# KiCad board motorgo_plink.kicad_pcb
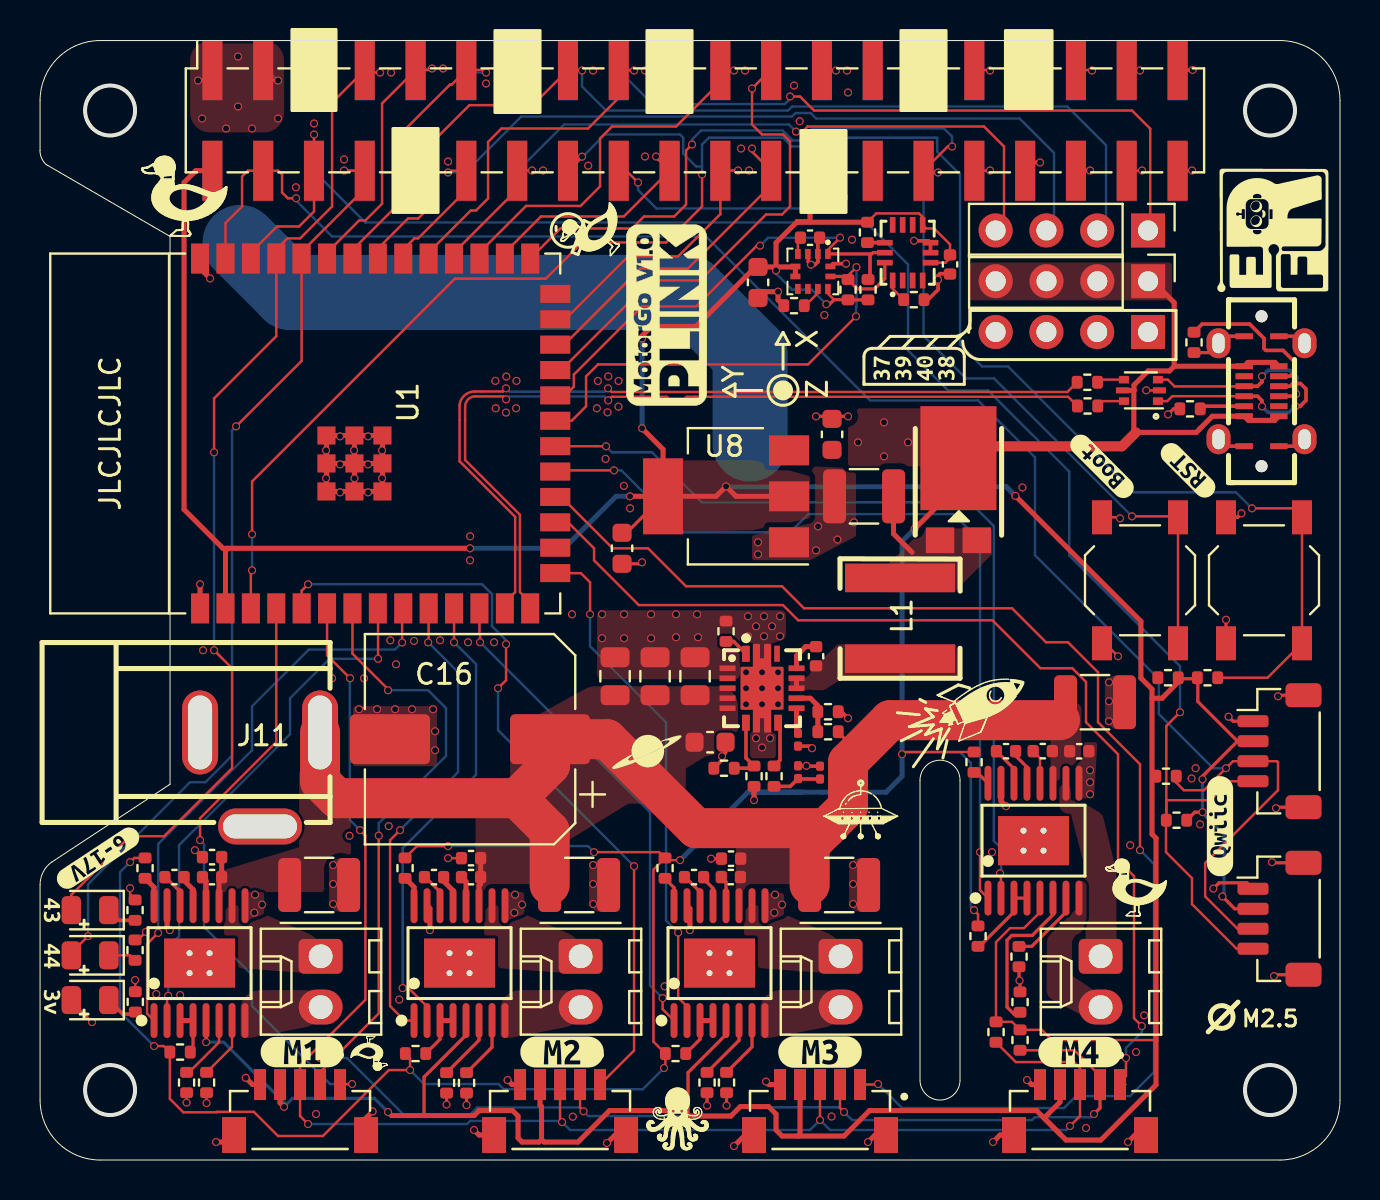
[diagram p0: board, top side]
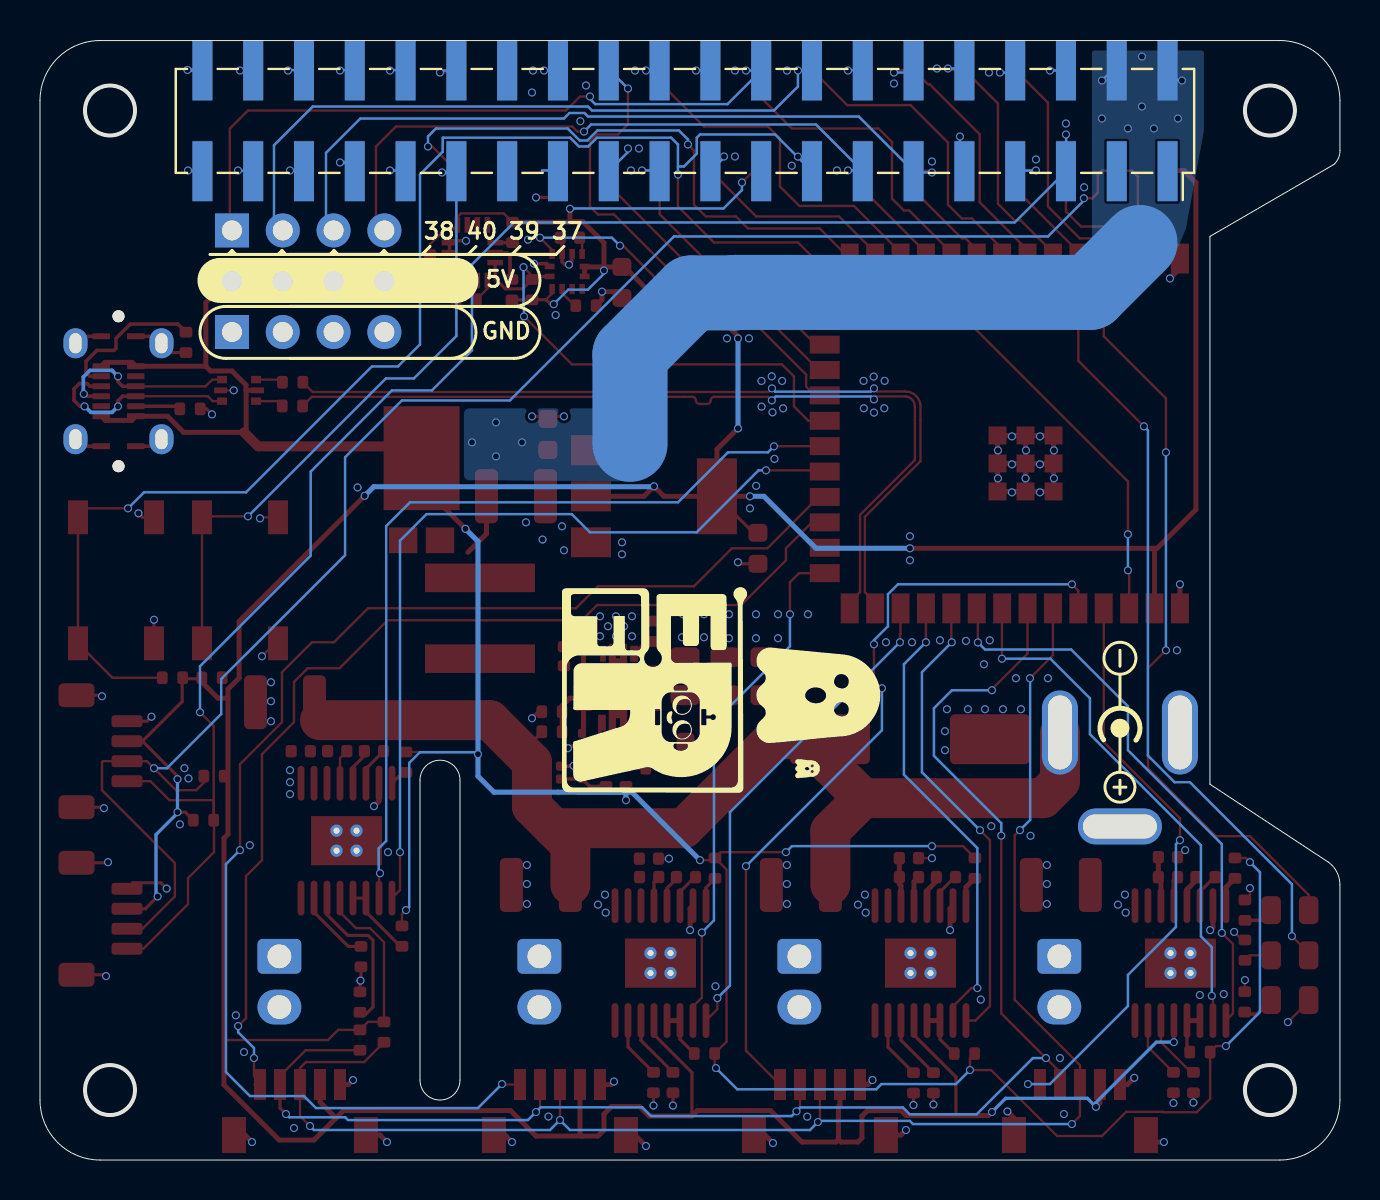
[diagram p1: board, bottom side, seen from below]

Outline 65 x 56 mm; copper layers: Top, In1.Cu, In2.Cu, Bottom. Coordinates in mm from the lower left corner of the outline.
Outline path: circle c3.5,52.5 r1.25 ; circle c3.5,3.5 r1.25 ; circle c61.5,52.5 r1.25 ; circle c61.5,3.5 r1.25 ; 0,50.5 0,53 arc(0.88,55.12) 3,56 62,56 arc(64.13,55.12) 65,53 65,3 arc(64.13,0.88) 62,0 3,0 arc(0.88,0.88) 0,3 0,13.77 arc(0.16,14.4) 0.58,14.9 6.5,18.8 6.5,46.2 0.3,49.8 arc(0.08,50.12) 0,50.5 ; 44,19 arc(45,20) 46,19 46,4 arc(45,3) 44,4 44,19
Stack: Top 0.035mm / dielectric 0.1mm FR4 er 4.5 / In1.Cu 0.018mm / dielectric 1.24mm FR4 er 4.5 / In2.Cu 0.018mm / dielectric 0.1mm FR4 er 4.5 / Bottom 0.035mm

## Placement (name value [footprint] x y rotation side)
C1  68pf  [C_0201_0603Metric]  39 19.38 90 top
C2  4.7uF 1mOhm  [C_0805_2012Metric]  32.75 24.2 90 top
C3  0.1uF  [C_0402_1005Metric]  21.55 14.15 0 top
C4  0.1uF  [C_0402_1005Metric]  21.55 15.1 180 top
C5  .022uF  [C_0402_1005Metric]  19.7 14.15 0 top
C6  100uF  [C_1210_3225Metric]  26.96 13.76 0 top
C7  0.1uF  [C_0402_1005Metric]  8.6 14.15 0 top
C8  0.1uF  [C_0402_1005Metric]  8.6 15.15 180 top
C9  .022uF  [C_0402_1005Metric]  6.72 14.15 0 top
C10  100uF  [C_1210_3225Metric]  13.96 13.76 0 top
C11  0.1uF  [C_0402_1005Metric]  34.54 14.15 0 top
C12  0.1uF  [C_0402_1005Metric]  34.55 15.08 180 top
C13  .022uF  [C_0402_1005Metric]  32.7 14.15 0 top
C14  100uF  [C_1210_3225Metric]  39.96 13.76 0 top
C15  4.7uF 1mOhm  [C_0805_2012Metric]  30.75 24.2 90 top
C16  220uF 50v  [CP_Elec_10x10]  21.5 21.05 180 top
C17  4.7uF 1mOhm  [C_0603_1608Metric]  33.5 20.9 0 top
C18  2.2nF 0Ohm  [C_0201_0603Metric]  37.9 21.02 270 top
C19  4.7uF 1mOhm  [C_0805_2012Metric]  28.75 24.2 90 top
C20  6.8nf  [C_0201_0603Metric]  37.9 19.4 90 top
C22  100nf 280mOhm  [C_0402_1005Metric]  38.8 25.2 90 top
C23  47uF 3mOhm  [C_1210_3225Metric]  41.2 33.2 180 top
C24  22uF 16v  [C_0603_1608Metric]  39.6 36.3 90 top
C25  22uF 16v  [C_0603_1608Metric]  29.1 30.6 270 top
C26  0.1uF  [C_0402_1005Metric]  50.14 20.45 0 top
C27  0.1uF  [C_0402_1005Metric]  51.97 20.45 0 top
C28  .022uF  [C_0402_1005Metric]  48.3 20.45 0 top
C29  100uF  [C_1210_3225Metric]  52.75 22.9 0 top
C30  100nF  [C_0402_1005Metric]  38.5 46.14 180 top
C31  100nF  [C_0402_1005Metric]  45.5 44.8 270 top
C32  1uF  [C_0603_1608Metric]  35.9 43.9 270 top
D1  LED  [LED_0805_2012Metric]  2.5 10.24 180 top
D2  LED  [LED_0805_2012Metric]  2.5 12.5 180 top
D3  LED  [LED_0805_2012Metric]  2.5 8 180 top
D4  Schottky_SB1045L_C908747  [TO-277_3P-L5.4-W4.0-LS6.5-TR]  45.92 33.05 270 top
J1  USB4520-03-0-A_REVA  [USB-C-SMD_TYPEC-303-ACP16]  61.08 38.46 90 top
J2  ~  [SW_SPST_TL3342]  55 29 90 top
J3  ~  [SW_SPST_TL3342]  61.2 29 270 top
J4  Conn_02x20_Odd_Even  [PinSocket_2x20_P2.54mm_Vertical_SMD]  32.75 52.01 90 top
J5  Conn_01x04_Pin  [PinHeader_1x04_P2.54mm_Vertical]  55.4 46.5 270 top
J6  Conn_01x02_Pin  [Molex_KK-254_AE-6410-02A_1x02_P2.54mm_Vertical]  27.03 10.19 270 top
J7  Conn_02x20_Odd_Even  [PinSocket_2x20_P2.54mm_Vertical_SMD]  32.75 51.98 270 bottom
J8  Conn_01x02_Pin  [Molex_KK-254_AE-6410-02A_1x02_P2.54mm_Vertical]  14.03 10.19 270 top
J9  Conn_01x04_Pin  [PinHeader_1x04_P2.54mm_Vertical]  55.4 41.42 270 top
J10  Conn_01x02_Pin  [Molex_KK-254_AE-6410-02A_1x02_P2.54mm_Vertical]  40.03 10.19 270 top
J11  ~  [CONN-TH_DC-005-2.5A-2.0]  11 19.04 0 top
J12  Conn_01x04_Pin  [PinHeader_1x04_P2.54mm_Vertical]  55.41 43.96 270 top
J13  I2C_STANDARDQWIIC  [JST_SH_BM04B-SRSS-TB_1x04-1MP_P1.00mm_Vertical]  61.98 20.45 270 top
J14  BM05B-SRSS-TB_LF__SN_  [JST_BM05B-SRSS-TB_LF__SN_]  13 1.25 180 top
J15  I2C_STANDARDQWIIC  [JST_SH_BM04B-SRSS-TB_1x04-1MP_P1.00mm_Vertical]  61.98 12.07 270 top
J16  BM05B-SRSS-TB_LF__SN_  [JST_BM05B-SRSS-TB_LF__SN_]  26 1.25 180 top
J18  BM05B-SRSS-TB_LF__SN_  [JST_BM05B-SRSS-TB_LF__SN_]  39 1.25 180 top
J20  BM05B-SRSS-TB_LF__SN_  [JST_BM05B-SRSS-TB_LF__SN_]  52 1.25 180 top
J22  Conn_01x02_Pin  [Molex_KK-254_AE-6410-02A_1x02_P2.54mm_Vertical]  53.03 10.19 270 top
kibuzzard-670F41F1  G***  [kibuzzard-670F41F1]  59 16.7 90 top
kibuzzard-670FEBB5  G***  [kibuzzard-670FEBB5]  2.9 15.1 213.4 top
kibuzzard-67320F9F  G***  [kibuzzard-67320F9F]  57.4 34.5 135 top
kibuzzard-67320F82  G***  [kibuzzard-67320F82]  53.1 34.7 135 top
kibuzzard-67324B8C  G***  [kibuzzard-67324B8C]  0.6 10.2 270 top
kibuzzard-67324B68  G***  [kibuzzard-67324B68]  0.6 7.9 270 top
kibuzzard-67324B83  G***  [kibuzzard-67324B83]  0.6 12.5 270 top
kibuzzard-67324C8A  G***  [kibuzzard-67324C8A]  26.1 5.4 0 top
kibuzzard-67324C73  G***  [kibuzzard-67324C73]  13.1 5.4 0 top
kibuzzard-67324C97  G***  [kibuzzard-67324C97]  39 5.4 0 top
kibuzzard-67324CB2  G***  [kibuzzard-67324CB2]  52 5.4 0 top
kibuzzard-673237E1  G***  [kibuzzard-673237E1]  43.7 39.6 90 top
L1  2.2uH 12.7mOhm  [IND-SMD_L6.6-W6.4_CKSTT0610]  43 27.1 90 top
R1  1k  [R_0402_1005Metric]  4.75 10.5 90 top
R2  1k  [R_0402_1005Metric]  4.75 12.5 90 top
R3  1k  [R_0402_1005Metric]  4.77 7.91 90 top
R4  5k1  [R_0402_1005Metric]  57.5 37.58 0 top
R5  5k1  [R_0402_1005Metric]  57.7 40.9 90 top
R6  0  [R_0402_1005Metric]  52.38 37.72 0 top
R7  0  [R_0402_1005Metric]  52.37 38.91 0 top
R8  5k1  [R_0402_1005Metric]  56.4 24.12 180 top
R9  5k1  [R_0402_1005Metric]  58.38 24.12 0 top
R10  10k  [R_0402_1005Metric]  18.78 5.33 0 top
R11  10k  [R_0402_1005Metric]  18.25 14.6 270 top
R12  10k  [R_0402_1005Metric]  7 5.4 0 top
R13  10k  [R_0402_1005Metric]  5.25 14.6 270 top
R14  10k  [R_0402_1005Metric]  31.78 5.33 0 top
R15  10k  [R_0402_1005Metric]  31.25 14.6 270 top
R16  102k  [R_0402_1005Metric]  39.4 21.42 180 top
R17  36.5k  [R_0402_1005Metric]  39.4 22.42 0 top
R18  53.6k  [R_0402_1005Metric]  34.3 26.45 90 top
R19  3.92k  [R_0402_1005Metric]  36.7 19.2 270 top
R24  53.6k  [R_0402_1005Metric]  35.7 19.2 90 top
R25  10k  [R_0402_1005Metric]  34.2 19.6 180 top
R30  5k1  [R_0402_1005Metric]  56.3 19.2 0 top
R31  5k1  [R_0402_1005Metric]  56.83 17 180 top
R32  5k1  [R_0402_1005Metric]  49 6 270 top
R33  5k1  [R_0402_1005Metric]  47.8 6.4 270 top
R36  10k  [R_0402_1005Metric]  46.9 11.2 270 top
R37  10k  [R_0402_1005Metric]  46.7 19.9 270 top
R38  2k  [R_0402_1005Metric]  40.4 43.54 90 top
R39  2k  [R_0402_1005Metric]  41.4 43.54 90 top
R46  1k  [R_0402_1005Metric]  37.7 42.74 180 top
R49  1k  [R_0402_1005Metric]  43.69 43.04 0 top
R50  1k  [R_0402_1005Metric]  41.38 46.4 90 top
Rmode1  20k  [R_0402_1005Metric]  21.33 3.86 270 top
Rmode2  20k  [R_0402_1005Metric]  8.33 3.88 270 top
Rmode3  20k  [R_0402_1005Metric]  34.33 3.88 270 top
Rmode4  20k  [R_0402_1005Metric]  48.95 10.17 270 top
Rp1  4.87k  [R_0402_1005Metric]  20.33 3.86 270 top
Rp2  4.87k  [R_0402_1005Metric]  7.33 3.88 270 top
Rp3  4.87k  [R_0402_1005Metric]  33.35 3.88 270 top
Rp4  4.87k  [R_0402_1005Metric]  49 7.9 90 top
U1  -  [ESP32-S3-WROOM-1]  16.26 36.34 90 top
U2  USBLC6-2P6  [SOT-666]  55.05 38.5 180 top
U3  DRV8874PWPR  [HTSSOP-16_L5.0-W4.4-P0.65-LS6.4-BL-EP]  20.98 9.85 0 top
U4  DRV8874PWPR  [HTSSOP-16_L5.0-W4.4-P0.65-LS6.4-BL-EP]  7.98 9.85 0 top
U5  DRV8874PWPR  [HTSSOP-16_L5.0-W4.4-P0.65-LS6.4-BL-EP]  33.98 9.85 0 top
U6  TPS54620RHLR  [VQFN-14_L3.5-W3.5-P0.50-TL-EP_TPS54622RHLT]  36.1 23.6 0 top
U8  AMS1117-3.3  [SOT-223-3_TabPin2]  34.3 33.2 180 top
U9  DRV8874PWPR  [HTSSOP-16_L5.0-W4.4-P0.65-LS6.4-BL-EP]  49.68 15.97 0 top
U10  LIS3MDLTR  [LIS3MDLTR_LGA-12]  38.65 44.45 180 top
U11  LSM6DS3TR  [LSM6DSOTR_LGA-14]  43.39 45.39 0 top

## Library data of the parts
C1 C20 = -: Datasheet: https://www.lcsc.com/product-detail/Multilayer-Ceramic-Capacitors-MLCC-SMD-SMT_FH-Guangdong-Fenghua-Advanced-Tech-0201CG430J500NT_C3037638.html; LCSC_Part_Number: C3037638; ki_fp_filters: C_*
C2 C15 C19 = -: Datasheet: https://www.lcsc.com/product-detail/Multilayer-Ceramic-Capacitors-MLCC-SMD-SMT_CCTC-TCC0805X5R106K250FT_C5448891.html; LCSC_Part_Number: C5448891; ki_fp_filters: C_*
C3 C4 C7 C8 C11 C12 C26 C27 = -: Datasheet: https://www.lcsc.com/product-detail/Multilayer-Ceramic-Capacitors-MLCC-SMD-SMT_HRE-CSA0402X7R104K500GT_C3012377.html; LCSC_Part_Number: C3012377; ki_fp_filters: C_*
C5 C9 C13 C28 = -: Datasheet: https://www.lcsc.com/product-detail/Multilayer-Ceramic-Capacitors-MLCC-SMD-SMT_CCTC-TCC0402X7R223K500AT_C380305.html; LCSC_Part_Number: C380305; ki_fp_filters: C_*
C6 C10 C14 C29 = -: Datasheet: https://www.lcsc.com/product-detail/Multilayer-Ceramic-Capacitors-MLCC-SMD-SMT_HRE-CGA1210X5R107M160RT_C6120014.html; LCSC_Part_Number: C6120014; ki_fp_filters: C_*
C16 = -: Datasheet: https://www.lcsc.com/product-detail/Aluminum-Electrolytic-Capacitors-SMD_Nichicon-UWT1H221MNL1GS_C125977.html; Height: 13; LCSC_Part_Number: C125977; Manufacturer_Name: Lelon; Manufacturer_Part_Number: RGA221M1EBK-0811G; Mouser Part Number: 140-RGA221M1EBK0811G; Mouser Price/Stock: https://www.mouser.co.uk/ProductDetail/Lelon/RGA221M1EBK-0811G?qs=pNDdEcSXiOD075vn7PGSsQ%3D%3D
C17 = -: Datasheet: https://www.lcsc.com/product-detail/Multilayer-Ceramic-Capacitors-MLCC-SMD-SMT_HRE-CGA0603X5R475K250JT_C6119856.html; LCSC_Part_Number: C6119856; ki_fp_filters: C_*
C18 = -: Datasheet: https://www.lcsc.com/product-detail/Multilayer-Ceramic-Capacitors-MLCC-SMD-SMT_FH-Guangdong-Fenghua-Advanced-Tech-0201X222K250NT_C285033.html; LCSC_Part_Number: C285033; ki_fp_filters: C_*
C22 = -: Datasheet: https://www.lcsc.com/product-detail/Multilayer-Ceramic-Capacitors-MLCC-SMD-SMT_CCTC-TCC0402X5R104K250AT_C880603.html; LCSC_Part_Number: C880603; ki_fp_filters: C_*
C23 = -: Datasheet: https://www.lcsc.com/product-detail/Multilayer-Ceramic-Capacitors-MLCC-SMD-SMT_Chinocera-HGC1210R5476M250NSVK_C7432791.html; LCSC_Part_Number: C7432791; ki_fp_filters: C_*
C24 C25 = -: Datasheet: https://www.lcsc.com/product-detail/Multilayer-Ceramic-Capacitors-MLCC-SMD-SMT_Samsung-Electro-Mechanics-CL10A226MO7JZNC_C2762594.html; Height: 1.4; LCSC_Part_Number: C2762594; Manufacturer_Name: SAMSUNG; Manufacturer_Part_Number: CL21A226MQQNNNE; Mouser Part Number: 187-CL21A226MQQNNNE; Mouser Price/Stock: https://www.mouser.co.uk/ProductDetail/Samsung-Electro-Mechanics/CL21A226MQQNNNE?qs=349EhDEZ59oZnQF%252BO1HZ%252BQ%3D%3D
C30 C31 = -: Datasheet: https://www.lcsc.com/product-detail/Multilayer-Ceramic-Capacitors-MLCC-SMD-SMT_CCTC-TCC0402X5R104K250AT_C880603.html; Field4: CHANGED FOOTPRINT 6-3-24; LCSC_Part_Number: C880603; ki_fp_filters: C_*
C32 = -: Datasheet: https://www.lcsc.com/product-detail/Multilayer-Ceramic-Capacitors-MLCC-SMD-SMT_Samsung-Electro-Mechanics-CL10A105KB8NNNC_C15849.html; LCSC_Part_Number: C15849; ki_fp_filters: CP_*
D1 = -: Datasheet: https://www.lcsc.com/product-detail/Light-Emitting-Diodes-LED_Foshan-NationStar-Optoelectronics-NCD0805B2_C84259.html; LCSC_Part_Number: C84259; ki_fp_filters: LED* LED_SMD:* LED_THT:*
D2 = -: Datasheet: https://www.lcsc.com/product-detail/Light-Emitting-Diodes-LED_Foshan-NationStar-Optoelectronics-NCD0805G1_C84260.html; LCSC_Part_Number: C84260; ki_fp_filters: LED* LED_SMD:* LED_THT:*
D3 = -: Datasheet: https://www.lcsc.com/product-detail/Light-Emitting-Diodes-LED_Foshan-NationStar-Optoelectronics-NCD0805R1_C84256.html; LCSC_Part_Number: C84256; ki_fp_filters: LED* LED_SMD:* LED_THT:*
D4 = -: SuppliersPartNumber: C908747; uuid: std:209a628ebac24c2f8df90420eba7d942
J1 = -: Datasheet: https://www.lcsc.com/product-detail/USB-Connectors_XUNPU-TYPEC-303-ACP16_C720628.html; LCSC_Part_Number: C720628; MAXIMUM_PACKAGE_HEIGHT: 2.46mm
J2 J3 = -: Datasheet: https://www.lcsc.com/product-detail/Tactile-Switches_E-Switch-TL3342F450QG_C2886897.html; LCSC_Part_Number: C2886897
J4 J7 = -: Datasheet: https://www.lcsc.com/product-detail/Female-Headers_HCTL-PM254-2-20-S-8-5_C3975165.html; LCSC_Part_Number: C3975165; ki_fp_filters: Connector*:*_2x??_*
J5 J9 J12 = -: Description: Generic connector, single row, 01x04, script generated; ki_fp_filters: Connector*:*_1x??_*
J6 J8 J10 J22 = -: Datasheet: https://www.lcsc.com/product-detail/Pin-Headers_CONNFLY-Elec-DS1021-1x2SF11-B_C7430358.html; LCSC_Part_Number: C722716; ki_fp_filters: Connector*:*_1x??_*
J11 = -: Datasheet: https://www.lcsc.com/product-detail/DC-Power-Connector_XKB-Connection-DC-005-2-5A-2-0_C319099.html; LCSC_Part_Number: C319099
J13 J15 = -: Datasheet: https://www.lcsc.com/product-detail/Wire-To-Board-Connector_JST-SM04B-SRSS-TB-LF-SN_C160404.html; Field4: CONN-13729; LCSC_Part_Number: C160404; ki_fp_filters: *1X04_1MM_RA*
J14 J16 J18 J20 = -: Datasheet: https://www.lcsc.com/product-detail/Wire-To-Board-Connector_JST-BM05B-SRSS-TBT-LF-SN_C265092.html; LCSC_Part_Number: C265092; MANUFACTURER: JST Sales America Inc.; MAXIMUM_PACKAGE_HEIGHT: 6.3 mm; PARTREV: N/A; SNAPEDA_PN: BM05B-SRSS-TB(LF)(SN); STANDARD: Manufacturer Recommendations
L1 = -: Datasheet: https://www.lcsc.com/datasheet/lcsc_datasheet_2303140930_FANGCHENG-FC-ALX-6030D-3R3MT_C5370922.pdf; LCSC_Part_Number: C5440776; ki_fp_filters: Choke_* *Coil* Inductor_* L_*
R1-R3 = -: Datasheet: https://www.lcsc.com/product-detail/Chip-Resistor-Surface-Mount_FOJAN-FRC0402J102-TS_C2906899.html; LCSC_Part_Number: C11702; ki_fp_filters: *0603* *0805* *1206*
R4 R5 R8 R9 R30-R33 = -: Datasheet: https://www.lcsc.com/product-detail/Chip-Resistor-Surface-Mount_Viking-Tech-CR-02FL6-5K1_C409700.html; LCSC_Part_Number: C25905; ki_fp_filters: *0603* *0805* *1206*
R6 R7 = -: Datasheet: https://www.lcsc.com/product-detail/Chip-Resistor-Surface-Mount_VO-SCR0402J0R_C3017451.html; LCSC_Part_Number: C3017451; ki_fp_filters: *0603* *0805* *1206*
R10-R15 R36 R37 = -: Datasheet: https://www.lcsc.com/product-detail/Chip-Resistor-Surface-Mount_FOJAN-FRC0402J103-TS_C2906885.html; LCSC_Part_Number: C25744; ki_fp_filters: R_*
R16 = -: Datasheet: https://www.lcsc.com/product-detail/Chip-Resistor-Surface-Mount_FOJAN-FRC0402F1023TS_C2933066.html; LCSC_Part_Number: C2933066; ki_fp_filters: R_*
R17 = -: Datasheet: https://www.lcsc.com/product-detail/Chip-Resistor-Surface-Mount_UNI-ROYAL-Uniroyal-Elec-0402WGF3652TCE_C25887.html; LCSC_Part_Number: C25887; ki_fp_filters: R_*
R18 = -: Datasheet: https://www.lcsc.com/product-detail/Chip-Resistor-Surface-Mount_FOJAN-FRC0402F5362TS_C5153961.html; LCSC_Part_Number: C5153961; ki_fp_filters: R_*
R19 = -: Datasheet: https://www.lcsc.com/product-detail/Chip-Resistor-Surface-Mount_FOJAN-FRC0402F3401TS_C3013164.html; LCSC_Part_Number: C3013164; ki_fp_filters: R_*
R24 = -: Datasheet: https://www.lcsc.com/product-detail/Chip-Resistor-Surface-Mount_FOJAN-FRC0402F5232TS_C2998086.html; LCSC_Part_Number: C2998086; ki_fp_filters: R_*
R25 = -: Datasheet: https://www.lcsc.com/product-detail/Chip-Resistor-Surface-Mount_FOJAN-FRC0402J103-TS_C2906885.html; LCSC_Part_Number: C2906885; ki_fp_filters: R_*
R38 R39 = -: Datasheet: https://www.lcsc.com/product-detail/Chip-Resistor-Surface-Mount_UNI-ROYAL-Uniroyal-Elec-0402WGF2001TCE_C4109.html; LCSC_Part_Number: C4109; ki_fp_filters: R_*
R46 R49 R50 = -: Datasheet: https://www.lcsc.com/product-detail/Chip-Resistor-Surface-Mount_FOJAN-FRC0402J102-TS_C2906899.html; LCSC_Part_Number: C11702; ki_fp_filters: R_*
Rmode1-Rmode4 = -: Datasheet: https://www.lcsc.com/product-detail/Chip-Resistor-Surface-Mount_VO-SCR0402J20K_C3017501.html; LCSC_Part_Number: C3017501; ki_fp_filters: R_*
Rp1-Rp4 = -: Datasheet: https://www.lcsc.com/product-detail/Chip-Resistor-Surface-Mount_VO-SCR0402F4K87_C3015971.html; LCSC_Part_Number: C3015971; ki_fp_filters: R_*
U1 = -: Datasheet: https://www.lcsc.com/product-detail/WiFi-Modules_Espressif-Systems-ESP32-S3-WROOM-1-N8_C2913198.html; LCSC_Part_Number: C2913198
U2 = -: Datasheet: https://www.lcsc.com/product-detail/Electrostatic-and-Surge-Protection-TVS-ESD_TECH-PUBLIC-USBLC6-2P6_C2827693.html; LCSC_Part_Number: C2827693; ki_fp_filters: SOT?666*
U3-U5 U9 = -: Datasheet: https://www.lcsc.com/product-detail/Motor-Driver-ICs_Texas-Instruments-DRV8874PWPR_C1855818.html; SuppliersPartNumber: C1855818; uuid: std:7384bdd1e05a4b1a8e1bd8e8948bd536; LCSC_Part_Number: C1855818
U6 = -: Datasheet: https://www.lcsc.com/product-detail/DC-DC-Converters_Texas-Instruments-TPS54620RHLR_C263274.html; SuppliersPartNumber: C263274; uuid: std:22c093bd3f0e4f169efe6636adc161b3; LCSC_Part_Number: C263274
U8 = -: Datasheet: https://www.lcsc.com/product-detail/Linear-Voltage-Regulators-LDO_UMW-Youtai-Semiconductor-Co-Ltd-AMS1117-3-3_C347222.html; LCSC_Part_Number: C347222; ki_fp_filters: SOT?223*TabPin2*
U10 = -: Datasheet: https://www.lcsc.com/product-detail/Linear-Hall-Sensors_STMicroelectronics-LIS3MDLTR_C478483.html; SuppliersPartNumber: C478483; uuid: std:3c4a1927816047c0b32d8307cf40d91b; LCSC_Part_Number: C478483
U11 = -: Datasheet: https://www.lcsc.com/product-detail/Attitude-Sensor-Gyroscope_STMicroelectronics-LSM6DS3TR_C95230.html; SuppliersPartNumber: C95230; uuid: std:bcd93c2961e24e71bfff3f976058f13a; LCSC_Part_Number: C95230

## Footprints (pads in the part's own frame, mm; a bottom-side part is the same pattern mirrored in y, then rotated)
C_0201_0603Metric
  rrect 0.318x0.36 smd: (-0.345,0) (0.345,0)
  rrect 0.46x0.4 smd: 1(-0.32,0) 2(0.32,0)
C_0402_1005Metric
  rrect 0.56x0.62 smd: 1(-0.48,0) 2(0.48,0)
C_0603_1608Metric
  rrect 0.9x0.95 smd: 1(-0.775,0) 2(0.775,0)
C_0805_2012Metric
  rrect 1x1.45 smd: 1(-0.95,0) 2(0.95,0)
C_1210_3225Metric
  rrect 1.15x2.7 smd: 1(-1.475,0) 2(1.475,0)
CONN-TH_DC-005-2.5A-2.0
  oval 1.8x4.2 hole 1.2x3.7: 1(3,2.35) 2(-3,2.35)
  oval 4.2x1.8 hole 3.7x1.2: 3(0,-2.35)
CP_Elec_10x10
  rrect 4x2.5 smd: 1(-4,0) 2(4,0)
ESP32-S3-WROOM-1
  rect 1.5x0.9 smd: 1(-8.75,8.26) 2(-8.75,6.99) 3(-8.75,5.72) 4(-8.75,4.45) 5(-8.75,3.18) 6(-8.75,1.91) 7(-8.75,0.64) 8(-8.75,-0.63) 9(-8.75,-1.9) 10(-8.75,-3.17) 11(-8.75,-4.44) 12(-8.75,-5.71) 13(-8.75,-6.98) 14(-8.75,-8.25) 27(8.75,-8.25) 28(8.75,-6.98) 29(8.75,-5.71) 30(8.75,-4.44) 31(8.75,-3.17) 32(8.75,-1.9) 33(8.75,-0.63) 34(8.75,0.64) 35(8.75,1.91) 36(8.75,3.18) 37(8.75,4.45) 38(8.75,5.72) 39(8.75,6.99) 40(8.75,8.26)
  rect 0.9x1.5 smd: 15(-6.985,-9.5) 16(-5.715,-9.5) 17(-4.445,-9.5) 18(-3.175,-9.5) 19(-1.905,-9.5) 20(-0.635,-9.5) 21(0.635,-9.5) 22(1.905,-9.5) 23(3.175,-9.5) 24(4.445,-9.5) 25(5.715,-9.5) 26(6.985,-9.5)
  rect 0.9x0.9 smd: 41(-2.9,1.94) 41(-2.9,0.54) 41(-2.9,-0.86) 41(-1.5,1.94) 41(-1.5,0.54) 41(-1.5,-0.86) 41(-0.1,1.94) 41(-0.1,0.54) 41(-0.1,-0.86)
HTSSOP-16_L5.0-W4.4-P0.65-LS6.4-BL-EP
  oval 0.343x1.747 smd: 1(-2.275,-2.873) 2(-1.625,-2.873) 3(-0.975,-2.873) 4(-0.325,-2.873) 5(0.325,-2.873) 6(0.975,-2.873) 7(1.625,-2.873) 8(2.275,-2.873) 9(2.275,2.873) 10(1.625,2.873) 11(0.975,2.873) 12(0.325,2.873) 13(-0.325,2.873) 14(-0.975,2.873) 15(-1.625,2.873) 16(-2.275,2.873)
  round 0.61 hole 0.304: 17(-0.5,0.5) 17(-0.5,-0.5) 17(0.5,0.5) 17(0.5,-0.5)
  rect 3.55x2.46 smd: 17(0,0)
IND-SMD_L6.6-W6.4_CKSTT0610
  rect 1.43x5.5 smd: 1(-2.02,0) 2(2.02,0)
JST_BM05B-SRSS-TB_LF__SN_
  rect 0.6x1.55 smd: 1(-2,-2.525) 2(-1,-2.525) 3(0,-2.525) 4(1,-2.525) 5(2,-2.525)
  rect 1.2x1.8 smd: S1(-3.3,0) S2(3.3,0)
JST_SH_BM04B-SRSS-TB_1x04-1MP_P1.00mm_Vertical
  rrect 0.6x1.55 smd: 1(-1.5,-1.325) 2(-0.5,-1.325) 3(0.5,-1.325) 4(1.5,-1.325)
  rrect 1.2x1.8 smd: MP(-2.8,1.2) MP(2.8,1.2)
LED_0805_2012Metric
  rrect 0.975x1.4 smd: 1(-0.938,0) 2(0.938,0)
LIS3MDLTR_LGA-12
  rect 0.28x0.5 smd: 1(-0.75,-0.875) 2(-0.25,-0.875) 3(0.25,-0.875) 4(0.75,-0.875) 7(0.75,0.875) 8(0.25,0.875) 9(-0.25,0.875) 10(-0.75,0.875)
  rect 0.5x0.28 smd: 5(0.875,-0.25) 6(0.875,0.25) 11(-0.875,0.25) 12(-0.875,-0.25)
LSM6DSOTR_LGA-14
  rect 0.28x0.785 smd: 1(-0.75,-1.392) 2(-0.25,-1.392) 3(0.25,-1.392) 4(0.75,-1.392) 8(0.75,1.392) 9(0.25,1.392) 10(-0.25,1.392) 11(-0.75,1.392)
  rect 0.785x0.28 smd: 5(1.142,-0.5) 6(1.142,0) 7(1.142,0.5) 12(-1.142,0.5) 13(-1.142,0) 14(-1.142,-0.5)
Molex_KK-254_AE-6410-02A_1x02_P2.54mm_Vertical
  rrect 1.74x2.19 hole 1.19: 1(0,0)
  oval 1.74x2.19 hole 1.19: 2(2.54,0)
PinHeader_1x04_P2.54mm_Vertical
  rect 1.7x1.7 hole 1: 1(0,0)
  oval 1.7x1.7 hole 1: 2(0,-2.54) 3(0,-5.08) 4(0,-7.62)
PinSocket_2x20_P2.54mm_Vertical_SMD
  rect 3x1 smd: 1(2.52,24.13) 2(-2.52,24.13) 3(2.52,21.59) 4(-2.52,21.59) 5(2.52,19.05) 6(-2.52,19.05) 7(2.52,16.51) 8(-2.52,16.51) 9(2.52,13.97) 10(-2.52,13.97) 11(2.52,11.43) 12(-2.52,11.43) 13(2.52,8.89) 14(-2.52,8.89) 15(2.52,6.35) 16(-2.52,6.35) 17(2.52,3.81) 18(-2.52,3.81) 19(2.52,1.27) 20(-2.52,1.27) 21(2.52,-1.27) 22(-2.52,-1.27) 23(2.52,-3.81) 24(-2.52,-3.81) 25(2.52,-6.35) 26(-2.52,-6.35) 27(2.52,-8.89) 28(-2.52,-8.89) 29(2.52,-11.43) 30(-2.52,-11.43) 31(2.52,-13.97) 32(-2.52,-13.97) 33(2.52,-16.51) 34(-2.52,-16.51) 35(2.52,-19.05) 36(-2.52,-19.05) 37(2.52,-21.59) 38(-2.52,-21.59) 39(2.52,-24.13) 40(-2.52,-24.13)
R_0402_1005Metric
  rrect 0.54x0.64 smd: 1(-0.51,0) 2(0.51,0)
SOT-223-3_TabPin2
  rect 2x1.5 smd: 1(-3.15,2.3) 2(-3.15,0) 3(-3.15,-2.3)
  rect 2x3.8 smd: 2(3.15,0)
SOT-666
  rect 0.5x0.375 smd: 1(-0.85,0.537) 3(-0.85,-0.537) 4(0.85,-0.537) 6(0.85,0.537)
  rect 0.65x0.3 smd: 2(-0.925,0) 5(0.925,0)
SW_SPST_TL3342
  rect 1.7x1 smd: 1(-3.15,1.9) 1(3.15,1.9) 2(-3.15,-1.9) 2(3.15,-1.9)
TO-277_3P-L5.4-W4.0-LS6.5-TR
  rect 1.29x1.422 smd: 1(2.054,0.92) 3(2.054,-0.92)
  rect 5.2x3.8 smd: 2(-2.054,0)
USB-C-SMD_TYPEC-303-ACP16
  round 0.6 hole 0.6 unplated: (-3.75,0) (3.75,0)
  oval 1.5x1.2 hole 1x0.61: 1(-2.4,2.15) 2(-2.4,-2.15) 3(2.4,2.15) 4(2.4,-2.15)
  rect 0.3x0.87 smd: A1(-2.75,0.865) A4(-1.25,0.865) A5(-0.75,0.865) A6(-0.25,0.865) A7(0.25,0.865) A8(0.75,0.865) A9(1.25,0.865) A12(2.75,0.865) B1(2.75,-0.865) B4(1.25,-0.865) B5(0.75,-0.865) B6(0.25,-0.865) B7(-0.25,-0.865) B8(-0.75,-0.865) B9(-1.25,-0.865) B12(-2.75,-0.865)
VQFN-14_L3.5-W3.5-P0.50-TL-EP_TPS54622RHLT
  rect 0.39x0.8 smd: 1(-0.805,1.725) 7(-0.805,-1.725) 8(0.805,-1.725)
  rect 0.8x0.28 smd: 2(-1.725,1) 3(-1.725,0.5) 4(-1.725,0) 5(-1.725,-0.5) 6(-1.725,-1) 9(1.725,-1) 10(1.725,-0.5) 11(1.725,0) 12(1.725,0.5) 13(1.725,1)
  rect 0.28x0.8 smd: 14(0.75,1.725)
  custom 2.152x4.44 smd: 15(0,0)
